# KiCad board PC110.kicad_pcb (continued)
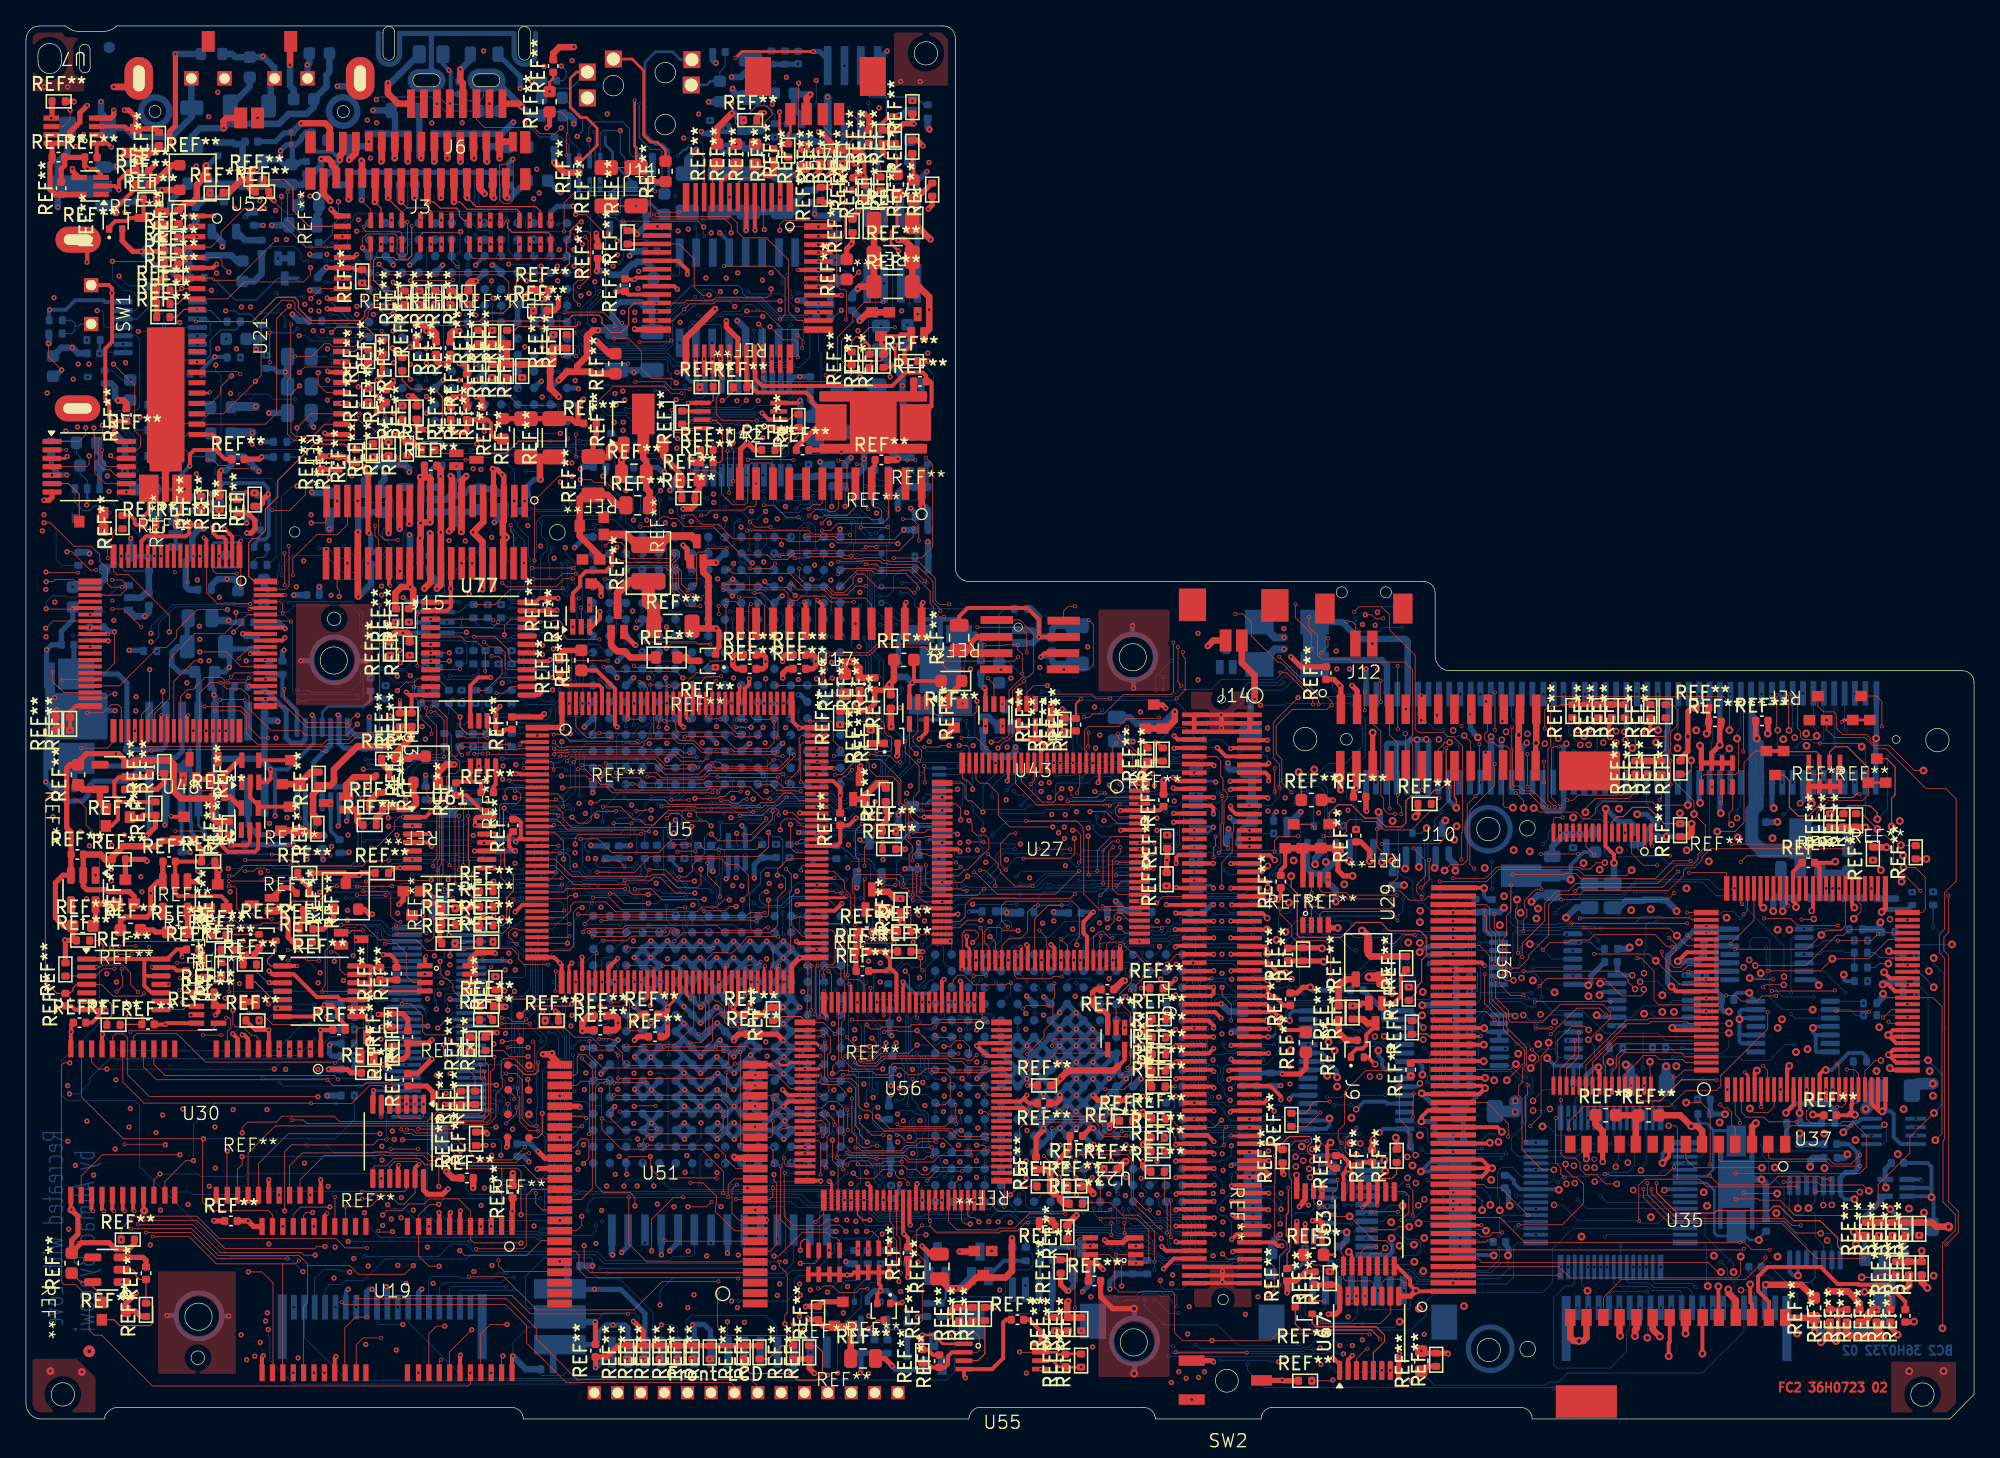
[diagram p0: board, top side]
## Routing (per net, layer and track width the routed paths; a pad name or vN(x,y) marks a point on that pad's centre or on a via; arc(x,y) is an arc through that point) (continued)
  FC2 w0.08: 63.53,7.11 REF**#420.1
  FC2 w0.4: v1(60.22,7.76) 60.32,7.66 REF**#421.1 61.01,7.54 61.38,7.18 REF**#420.3 REF**#420.1
  FC2 w0.5: REF**#319.1 63.53,7.11
  BC1 w0.05: v11(60.43,5.15) 60.43,7.04 60.22,7.25 v1(60.22,7.76)
  BC2 w0.05: 60.38,5.17 60.41,5.17 v11(60.43,5.15)
D171_Xin: length 10.2
  BC2 w0.08: 40.61,5.2 X4.2
  BC2 w0.4: U34.27 46.38,7.01 46.15,7.24 v1(45.22,7.24) 44.69,7.24 44.08,6.63 44.08,6.15 43.65,5.72 X4.2
  BC2 w0.5: REF**#470.1 40.61,5.2
D171_Xout: length 12.3
  BC2 w0.08: 41.69,10.58 X4.1
  BC2 w0.4: U34.26 47.68,8.12 45.81,9.99 v1(43.79,9.99) 41.16,9.99 X4.1
  BC2 w0.5: REF**#722.2 41.69,10.58
DPot_DNCin: length 46
  FC2 w0.05: v2(51.55,64.31) 51.65,64.41 51.65,66.66 51.8,66.81 52.22,66.81 52.48,67.07 v2(53.97,67.07) ; v2(54.16,71.38) 54.16,71.76 54.04,71.88 v2(54.04,74.59)
  FC1 w0.05: v2(54.16,71.38) 54.16,70.79 54.26,70.69 54.26,67.35 54.25,67.35 v2(53.97,67.07) ; v2(51.55,64.31) 50.98,64.31 50.3,63.63 50.3,57.52 50.13,57.35 50.13,56.95 50.38,56.7 50.38,56.17 v2(49.36,55.15) ; v1(55.55,76.51) 54.98,76.51 54.04,75.57 v2(54.04,74.59)
  IC1 w0.05: v1(55.55,76.51) 56.04,77 61.86,77 64.95,80.09 64.95,83.71 64.8,83.86 v1(64.08,83.86)
  BC1 w0.05: v1(64.08,83.86) 64.85,84.63 64.85,86.27 v11(66.1,87.52)
DPot_RHigh: length 5.2
  BC1 w0.05: v11(64.8,93.37) 65.16,93.37 68.1,96.31 v11(68.1,97.01)
DPot_RWiper: length 7.3
  FC2 w0.2: v1(67.2,90.01) 66.63,90.58 66.63,91.49 67.08,91.94 REF**#218.1
  BC2 w0.05: U44.6 67.39,89.27 67.2,89.45 v1(67.2,90.01)
DPot_UPCin: length 54.5
  FC2 w0.05: v2(63.48,68.13) 63.42,68.19 60.58,68.19 60.31,68.46 v2(55.55,68.46) ; v2(61.59,80.44) 62.25,80.44 62.49,80.68 62.49,83.36 63.69,84.56 63.69,85.16 64.59,86.06 v2(66.04,86.06) ; v2(53.92,62.65) 53.92,58.68 53.65,58.41 52.75,58.41 51.85,57.51 51.62,57.51 50.7,56.59 50.25,56.59 49.86,56.2 49.86,55.15
  FC1 w0.05: 61.59,78.89 61.59,78.96 ; 61.59,78.89 61.59,72.73 63.48,70.84 v2(63.48,68.13) ; 61.59,78.89 v2(61.59,80.44) ; v2(66.04,86.06) 66.04,90.86 v1(66.09,90.91) ; v2(55.55,68.46) 55.44,68.35 55.44,63.01 55.08,62.65 v2(53.92,62.65)
  BC1 w0.05: v11(66.1,93.37) 66.09,93.36 v1(66.09,90.91)
FCD_TC: length 38.9
  FC2 w0.05: v2(47.02,46.87) 47.65,46.87 47.71,46.93 v1(48.15,46.93) ; U27.33 69.42,45.4 69.22,45.2 v2(68.36,45.2) ; v2(46.7,48.94) 46.99,48.94 47.27,48.66 52.33,48.66 52.41,48.74 55.77,48.74 56.73,47.78 v2(57.31,47.78)
  FC1 w0.05: v2(57.31,47.78) 57.31,47.46 57.09,47.24 57.09,46.66 57.73,46.02 58.04,46.02 59.3,44.76 62.77,44.76 63.18,45.17 64.53,45.17 64.92,44.78 67.5,44.78 67.92,45.2 v2(68.36,45.2) ; v2(47.02,46.87) 47.02,47.17 47.09,47.24 47.09,48.55 v2(46.7,48.94)
  BC1 w0.05: v1(48.15,46.93) 48.15,47.92 v11(48.16,47.93)
  BC2 w0.05: 51.29,52.72 51.29,52.45 50.64,51.8 50.64,48.49 50.08,47.93 v11(48.16,47.93)
FCS_BVD1: length 46.4
  FC2 w0.05: v3(114.85,40.03) 114.85,39.37 114.72,39.24 114.73,39.23 114.73,38.6 114.91,38.42 v2(114.91,35.92) ; 144.93,39.04 146.06,39.04 146.29,39.27 146.29,41.74 145.53,42.5 v3(144.62,42.5)
  FC1 w0.05: v2(114.91,35.92) 110.02,35.92 v2(109.93,35.83)
  IC1 w0.05: v3(144.62,42.5) 144.57,42.5 143.1,41.03 132.87,41.03 132.31,41.59 126.01,41.59 124.97,40.55 115.37,40.55 v3(114.85,40.03)
FCS_BVD2: length 48.1
  FC2 w0.05: v2(145.92,40.7) 144.65,41.97 144.31,41.97 143.84,42.44 143.84,44.36 143.24,44.96 141.43,44.96 140.41,43.94 129.74,43.94 129.1,43.3 129.1,43.09 128.47,42.46 127.86,42.46 127.66,42.26 127.66,41.86 126.52,40.72 119.99,40.72 119.67,40.4 118.08,40.4 117.27,39.59 117.27,37.27 115.72,35.72 115.72,35.47 114.99,34.74 v2(114.36,34.74)
  FC1 w0.05: v2(109.93,34.58) 111.1,34.58 111.77,35.25 112.47,35.25 112.98,34.74 v2(114.36,34.74) ; v2(144.93,38.46) 145.92,39.46 v2(145.92,40.7)
FCS_C_EXT: length 4.4
  FC2 w0.05: v3(136.61,23.58) 136.55,23.64
  FC2 w0.3: U37.12 136.65,23.74 136.55,23.64
  BC2 w0.4: 138.33,22.81 138.22,22.69 136.76,22.69 REF**#633.1 136.64,23.55 v3(136.61,23.58)
FCS_CE1#: length 58.6
  FC2 w0.05: v3(147.07,21.48) 147.58,21.99 147.58,31.78 146.9,32.46 143.35,32.46 v3(143.04,32.77)
  FC1 w0.05: v5(119.3,18.17) 119.3,17.72 118.75,17.17 115.57,17.17 114.94,17.8 110.79,17.8 110.42,17.43 v2(109.93,17.43)
  IC3 w0.05: v3(147.07,21.48) 144.55,18.96 133.25,18.96 133.07,18.78 119.91,18.78 v5(119.3,18.17)
  BC1 w0.05: v3(143.04,32.77) 143.67,32.77 143.81,32.63 v11(145.6,32.63)
  BC2 w0.5: REF**#584.1 143.04,32.52 v3(143.04,32.77)
FCS_CE2#: length 69.1
  FC2 w0.05: v3(146.96,23.58) 145.11,21.73 145.11,20.5 143.25,18.64 143.24,18.64 142.66,18.06 142.66,16.37 142.45,16.16 140.33,16.16 139.85,15.68 136.27,15.68 135.09,16.86 133.52,16.86 133.42,16.96 v2(131.69,16.96) ; 109.93,18.08 112.26,18.08 112.53,17.81 113.59,17.81 v2(115.7,15.7)
  FC1 w0.05: v2(131.69,16.96) 130.78,16.05 123.89,16.05 123.54,15.7 v2(115.7,15.7) ; v2(144.93,33.46) 145.83,33.46 146.49,32.8 146.49,32.81 146.49,27.66 v3(146.51,27.64)
  BC2 w0.05: v3(146.51,27.64) 146.78,27.64 ; v3(146.51,27.64) 146.51,32.7 145.58,33.63 145.56,33.63 ; v3(146.51,27.64) 145.39,27.64 144.54,28.49 144.54,30.52 143.94,31.12 142.54,31.12
  BC2 w0.08: v3(146.51,27.64) 147.59,26.56 147.59,24.21 v3(146.96,23.58)
FCS_CS: length 33.5
  FC2 w0.05: U35.7 127.85,20.05 128.54,19.36 v3(133.71,19.36) ; U37.55 141.15,39.85 141.34,39.66 141.34,39.1 v3(140.79,38.55)
  IC2 w0.05: v3(133.71,19.36) 133.71,22.22 134.38,22.89 134.38,23.39 135.3,24.31 135.3,25.31 137.72,27.73 139.32,27.73 141.4,29.81 141.4,36.77 140.79,37.38 v3(140.79,38.55)
FCS_IO0: length 31.3
  FC2 w0.05: v2(136.76,38.49) 137.67,38.49 v5(137.71,38.53)
  FC2 w0.2: U37.66 135.6,39.71 v2(135.75,39.56)
  FC1 w0.05: v2(135.75,39.56) 135.75,39.34 136.6,38.49 v2(136.76,38.49)
  BC1 w0.05: v11(145.96,18.39) 145.96,25.01 145.08,25.89 140.44,25.89 139.62,26.71 139.62,33.08 137.71,34.99 v5(137.71,38.53)
  BC2 w0.3: v11(145.96,18.39) 145.89,18.46 REF**#793.1
FCS_IORD#: length 17.3
  FC1 w0.05: v3(148.35,36.57) 145.93,36.57 144.93,35.57 144.93,34.96
  BC1 w0.05: v11(140.83,36.87) 141.3,36.4 142.83,36.4 v11(143.94,37.51)
  BC2 w0.05: v11(143.94,37.51) 143.94,37.03 144.4,36.57 v3(148.35,36.57) ; U39.3 138.02,36.45 138.44,36.87 v11(140.83,36.87)
FCS_IOWR#: length 14.6
  FC2 w0.05: 144.93,35.46 143.57,35.46 143.45,35.34 v3(143.45,35.09)
  BC1 w0.05: v11(145.6,35.71) 144.95,35.06 143.48,35.06 v3(143.45,35.09) 142.93,35.09 142.38,34.54 142.38,33.5 141.74,32.86 v11(140.15,32.86)
  BC2 w0.05: U39.6 138.51,34.5 v11(140.15,32.86)
  BC2 w0.08: REF**#620.1 142.45,34.79 142.75,35.09 v3(143.45,35.09)
FCS_MA0: length 26.9
  FC1 w0.05: v2(119.16,25.68) 119.56,25.28 123.39,25.28 123.67,25 127.72,25 130.12,27.4 130.12,31.89 130.6,32.37 131.1,32.37 131.28,32.55 131.28,33.1 130.98,33.4 130.98,37.78 131.6,38.4 v2(131.6,40.89)
FCS_MA1: length 29
  FC2 w0.05: U37.75 131,42.03 130.93,42.1 v2(128.1,42.1) ; U36.19 118.66,26.96 119.61,27.91 v2(119.61,29.76) ; v2(127.27,42.19) 126.06,40.98 119.62,40.98 v2(119.34,40.7)
  FC1 w0.05: v2(119.34,40.7) 119.34,37.58 119.4,37.52 119.4,37.48 119.52,37.36 119.52,30.65 119.61,30.56 v2(119.61,29.76) ; v2(127.27,42.19) 128.01,42.19 v2(128.1,42.1)
FCS_MA2: length 24.3
  FC2 w0.05: v2(119.3,29.18) 119.3,28.1 118.16,26.96 U36.18 ; v2(127.94,38.19) 127.93,38.18 v2(119.04,38.18) ; v2(127.94,39.03) 128.26,39.03 128.26,39.04 129.43,39.04
  FC1 w0.05: v2(119.04,38.18) 119.04,37.35 119.3,37.09 v2(119.3,29.18) ; v2(127.94,39.03) v2(127.94,38.19)
FCS_MA3: length 25.3
  FC2 w0.05: v5(120.36,29.98) 120.08,30.26 119.06,30.26 117.94,29.14 117.94,27.61 117.66,27.33 U36.17 ; v2(119.67,38.57) 119.71,38.61 128.18,38.61 128.33,38.46 129.43,38.46
  FC1 w0.05: v2(119.67,38.57) 119.67,37.68 119.79,37.56 119.79,37.51 119.89,37.41 119.89,30.45 v5(120.36,29.98)
FCS_MA4: length 19.7
  FC2 w0.05: v2(118.35,46.36) 117.81,46.36 117.66,46.21 U36.16
  FC1 w0.05: v2(129.43,37.96) 128.98,38.41 128.98,39.3 127.9,40.38 v3(127.9,40.89) 126.97,41.82 126.97,42.49 127.25,42.77 127.25,45.06 127.25,45 126.49,45.76 118.73,45.76 118.35,46.14 v2(118.35,46.36)
FCS_MA5: length 18.7
  FC2 w0.05: v2(118.25,40.03) 126.45,40.03 v2(126.96,40.54)
  FC1 w0.05: v2(126.96,40.54) 126.96,40.14 127.24,39.86 127.69,39.86 128.5,39.05 128.5,38.07 129.11,37.46 v2(129.43,37.46) ; v2(118.25,40.03) 118.25,45.09 v2(118.16,45.18)
FCS_MA6: length 18.9
  FC2 w0.05: 129.43,36.96 128.3,36.96 v2(127.96,37.3)
  FC1 w0.05: v2(127.96,37.3) 126.51,38.75 126.51,42.34 127.01,42.84 127.01,44.94 126.35,45.6 119.11,45.6 118.69,45.18 v2(118.66,45.18)
FCS_MA7: length 17.7
  FC2 w0.05: v2(120,37.86) 120.04,37.82 126.59,37.82 v3(127.16,37.25) 127.95,36.46 129.43,36.46
  FC1 w0.05: v2(119.16,45.18) 119.16,42.32 119.97,41.51 119.97,37.89 v2(120,37.86)
FCS_MA8: length 16
  FC2 w0.05: v2(126.62,43.41) 124.67,43.41 124.16,43.92 U36.3 ; v2(126.57,37.08) 127.1,36.55 127.1,36.08 126.64,35.62 126.64,35.13 126.98,34.79 127.4,34.79 128.07,35.46 129.43,35.46
  FC1 w0.05: v2(126.57,37.08) 126.57,37.46 126.33,37.7 126.33,42.67 126.62,42.96 v2(126.62,43.41)
FCS_MA9: length 14.5
  FC2 w0.05: v2(126,36.01) 126,35.71 126.37,35.34 126.37,34.84 126.72,34.49 126.76,34.49 126.77,34.48 127.53,34.48 128.01,34.96 129.43,34.96
  FC2 w0.2: v2(124.72,44.15) 124.66,44.21 U36.2
  FC1 w0.05: v2(126,36.01) 125.93,36.08 125.93,42.94 v2(124.72,44.15)
FCS_MA10: length 15.4
  FC2 w0.05: v2(128.04,34.46) 129.43,34.46
  FC1 w0.05: v2(124.66,25.68) 125.63,26.65 128.68,26.65 129.96,27.93 129.96,33.27 129.77,33.46 129.04,33.46 v2(128.04,34.46)
FCS_MA11: length 13.4
  FC2 w0.2: v2(125.25,44.17) 125.16,44.26 U36.1
  FC1 w0.05: v2(125.25,44.17) 126.14,43.28 126.14,36.57 126.86,35.85 127.48,35.85 v2(129.43,33.91)
FCS_MA12: length 19.4
  FC2 w0.05: 129.43,33.46 127.39,33.46 v3(125.54,35.31) 125.02,35.83 v2(120.78,35.83)
  FC1 w0.05: v2(119.66,45.18) 120.47,44.37 120.47,41.86 120.78,41.55 v2(120.78,35.83)
FCS_MA13: length 16
  FC2 w0.05: v2(125.63,42.67) 124.58,42.67 123.66,43.59 U36.4
  FC1 w0.05: v2(125.63,42.67) 125.63,35.94 128.1,33.47 128.48,33.47 129.43,32.53 v2(129.43,32.41)
FCS_MA14: length 19
  FC2 w0.05: v2(124.13,35.51) 124.41,35.51 125.4,34.52 125.4,32.28 125.77,31.91 129.43,31.91
  FC1 w0.05: v2(124.13,35.51) 124.13,35.8 125.15,36.82 v3(125.15,39.28) 124.1,40.33 124.1,44.24 v2(123.16,45.18)
FCS_MA15: length 19.4
  FC2 w0.05: U36.11 120.16,44.11 v2(120.79,43.48)
  FC1 w0.05: v2(120.79,43.48) 120.79,41.93 122.76,39.96 122.76,35.45 123.35,34.86 124.95,34.86 125.1,34.71 125.1,34.23 126.63,32.7 128.13,32.7 v2(129.43,31.41)
FCS_MD0: length 12.8
  FC2 w0.05: 129.43,30.91 127.57,30.91 127.51,30.85 124.99,30.85 124.89,30.75 123.27,30.75 119.66,27.14 U36.21
FCS_MD1: length 12.3
  FC2 w0.05: 129.43,30.46 128.09,30.46 127.94,30.61 125.15,30.61 124.99,30.45 123.34,30.45 120.16,27.27 U36.22
FCS_MD2: length 11.4
  FC2 w0.05: 129.43,29.46 122.64,29.46 120.66,27.48 U36.23
FCS_MD3: length 10.7
  FC2 w0.05: 129.43,28.91 122.45,28.91 121.48,27.94 121.48,27.4 121.68,27.2 121.68,25.7 U36.25
FCS_MD4: length 9.6
  FC2 w0.05: 129.43,28.46 122.97,28.46 122.52,28.01 122.52,27.15 122.16,26.79 U36.26
FCS_MD5: length 9.2
  FC2 w0.05: 129.43,27.91 127.8,27.91 127.48,28.23 123.11,28.23 122.71,27.83 U36.27
FCS_MD6: length 8
  FC2 w0.05: U36.28 123.16,26.55 124.63,28.02 125.49,28.02 125.8,27.71 127.58,27.71 127.83,27.46 129.43,27.46
FCS_MD7: length 6.6
  FC2 w0.05: 129.43,26.89 127.72,26.89 127.16,26.33 v2(126.93,26.33)
  FC1 w0.05: v2(126.93,26.33) 125.82,25.22 124.12,25.22 v2(123.66,25.68)
FCS_PD: length 28.8
  FC2 w0.05: U35.4 131.65,22.42 131.37,22.7 131.37,23.65 131.06,23.96 130.77,23.96 v2(130.5,24.23) ; v2(131.65,36.2) 137.19,36.2 v3(138.29,37.3) 138.65,37.66 139.81,37.66 140.15,38 U37.57
  FC1 w0.05: 130.57,27.62 130.57,31.62 130.9,31.95 131.36,31.95 131.65,32.24 v2(131.65,36.2) ; 130.57,27.62 130.57,27.68 ; 130.57,27.62 130.57,25.96 130.33,25.72 130.33,24.4 v2(130.5,24.23)
FCS_RC_IN: length 7.3
  FC2 w0.05: v3(135.57,23.59) 135.57,23.64
  FC2 w0.3: 135.57,23.64 136.15,24.22 U37.11
  BC2 w0.4: v3(135.57,23.59) 136.27,24.29 138.8,24.29 139.33,23.76 REF**#686.1
FCS_RESET: length 91.1
  FC2 w0.05: v2(115.67,25.73) 115.67,25 115.5,24.83 115.5,21.4 v2(115.55,21.35)
  FC2 w0.08: 109.93,29.48 108.09,29.48 107.9,29.67 106.8,29.67 106.76,29.63
  FC2 w0.2: v2(112.07,29.5) 112.05,29.48 109.93,29.48 ; 106.76,29.63 106.75,29.62
  FC1 w0.05: v3(144.63,23.87) 144.64,23.88 145.13,23.88 145.72,24.47 145.72,31.89 145.65,31.96 v2(144.93,31.96) ; v2(112.07,29.5) 113.11,29.5 113.9,28.71 113.9,27.5 v2(115.67,25.73) ; v2(115.55,21.35) v3(113.42,21.35)
  IC3 w0.05: v3(113.42,21.35) 114.03,21.35 114.4,20.98 140.41,20.98 v3(140.92,21.49)
  BC1 w0.05: v11(108.5,34.22) 109.36,34.22 110.22,35.08 v11(110.22,36.39) ; v3(144.63,23.87) 144.27,24.23 143.87,24.23 143.49,23.85 143.49,23.45 143.18,23.14 142.57,23.14 v3(140.92,21.49) ; v11(108.86,25.72) 109.47,25.11 v11(109.47,21.01) 109.52,20.96 109.52,15.63 110.9,14.25 110.9,13.72 v11(110.47,13.29) ; v11(108.51,33.01) 108.32,32.82 108.32,32.07 108.38,32.01 108.38,31.01 108.33,30.96 v11(108.33,30.73)
  BC2 w0.05: v11(108.33,30.73) 108.33,30.21 108.93,29.61 108.93,27.11 108.86,27.04 v11(108.86,25.72) ; v11(109.47,21.01) 111.68,21.01 112.64,21.97 113.14,21.97 113.42,21.69 v3(113.42,21.35) ; v11(108.5,34.22) 108.5,33.02 v11(108.51,33.01)
FCS_ROMCEL0#: length 24.1
  FC2 w0.05: U37.71 133.1,38.43 v2(131.3,36.63)
  FC2 w0.08: v2(130.21,26.11) 130.18,26.14 127.52,26.14 125.89,24.51 124.39,24.51 124.16,24.74 U36.30
  FC1 w0.05: v2(130.21,26.11) 130.21,26.54 130.35,26.68 130.35,31.77 130.74,32.16 131.16,32.16 131.46,32.46 131.46,33.19 131.33,33.32 131.33,36.6 v2(131.3,36.63)
FCS_ROMOEL#: length 19.2
  FC2 w0.05: U37.72 132.6,39.18 v2(132.3,38.88) ; U36.32 125.16,26.56 125.09,26.63 v3(125.09,27.53)
  FC1 w0.05: v2(132.3,38.88) v5(132.3,34.81)
  IC2 w0.05: v5(132.3,34.81) 132.3,33.31 128.42,29.43 126.99,29.43 v3(125.09,27.53)
FCS_ROMWEL#: length 45.1
  FC2 w0.05: v2(133.88,38.57) 135.9,38.57 136.44,38.03 v2(139.55,38.03) ; v2(139.55,36.85) 142.13,36.85 v2(142.67,37.39) ; U37.73 132.1,39.76 v2(132.18,39.68) ; v2(137.9,44.29) 137.89,44.3 v2(131.39,44.3)
  FC2 w0.08: v2(127.41,45.88) 126.19,45.88 124.94,47.13 123.74,47.13 123.02,46.41 122.57,46.41 122.16,46 U36.7
  FC1 w0.05: v2(133.88,38.57) 133.64,38.57 132.53,39.68 v2(132.18,39.68) ; v2(137.9,44.29) 138.81,43.38 141.94,43.38 v2(142.26,43.06) 142.26,41.43 142.77,40.92 143.77,40.92 144.09,40.6 144.09,37.83 143.65,37.39 v2(142.67,37.39) ; v2(139.55,36.85) v2(139.55,38.03) ; v2(131.39,44.3) 128.99,44.3 v2(127.41,45.88)
FCS_SCLK1: length 35.7
  FC2 w0.05: v2(141.29,19.49) 141.28,19.48 139.06,19.48 138.69,19.85 130.6,19.85 130.58,19.83 130.4,20.01 U35.5
  FC1 w0.05: v2(142.15,40.89) 142.37,40.67 142.37,34.38 141.66,33.67 ; 141.66,33.67 141.66,24.93 142.26,24.33 142.26,23.42 141.67,22.83 141.67,19.87 v2(141.29,19.49) ; 141.66,33.67 142.35,34.36
FCS_SI0: length 25.5
  FC2 w0.05: U35.1 135.5,22.15 135.96,22.61 v2(140.58,22.61)
  FC1 w0.05: v2(140.58,22.61) 140.41,22.78 140.41,23.84 140.85,24.28 140.85,28.45 140.61,28.69 140.61,35.34 139.2,36.75 139.2,39.62 139.26,39.68 139.26,40.78 v2(139.15,40.89)
FCS_SI1: length 29.8
  FC2 w0.05: U35.2 134.2,20.19 134.36,20.03 138.87,20.03 139.25,19.65 140.58,19.65 v2(141.27,20.34)
  FC1 w0.05: v2(139.65,40.89) 140.02,40.52 140.02,37.21 141.3,35.94 141.3,20.37 v2(141.27,20.34)
FCS_SO0: length 33.2
  FC2 w0.3: v5(137.54,39.16) 137.65,39.27 U37.62
  FC2 w0.4: v5(120.18,20.03) 120.19,20.04
  FC2 w0.5: U35.13 120.19,21.16 120.19,20.04
  IC4 w0.05: v5(137.54,39.16) 136.61,38.23 132.44,38.23 129.44,35.23 129.44,27.55 128.08,26.19 125.5,26.19 120.18,20.87 v5(120.18,20.03)
FCS_SO1: length 49.5
  FC2 w0.05: U35.17 121.5,9.35 122.88,10.73 132.42,10.73 133.98,12.29 v2(133.98,12.45) ; v2(134.47,32.98) 139.28,32.98 v2(139.33,33.03)
  FC1 w0.05: v2(133.98,12.45) 134.01,12.48 134.01,18.02 134.19,18.2 134.19,24.87 134.11,24.95 134.11,30.56 134.47,30.92 v2(134.47,32.98) ; v2(138.65,40.89) 138.65,40.66 139,40.31 139,36.44 139.74,35.7 139.74,34.92 139.33,34.51 v2(139.33,33.03)
FDC_ACK#: length 63.8
  FC2 w0.05: v5(119.54,53.08) 119.54,53.35 120.23,54.04 REF**#90.1 ; v1(80.75,44.74) 80.75,43.51 80.42,43.18 v2(76.84,43.18)
  FC2 w0.2: U27.60 76.67,36.32 v2(76.6,36.39)
  FC1 w0.05: v2(76.6,36.39) 76.6,36.98 77.02,37.4 77.02,39.87 76.84,40.05 v2(76.84,43.18)
  IC2 w0.05: v3(110.01,44.64) 109.48,44.64 109.27,44.43 81.48,44.43 81.17,44.74 v1(80.75,44.74)
  IC4 w0.05: v3(110.01,44.64) 111,45.63 111,46.35 112.16,47.51 114.31,47.51 117.48,50.68 117.48,52.69 117.87,53.08 v5(119.54,53.08)
  BC1 w0.05: v11(119.23,51.47) 119.23,52.78 119.53,53.08 v5(119.54,53.08)
  BC2 w0.05: v11(119.23,51.47) J8.71
FDC_AUTOFD#: length 59.2
  FC2 w0.05: v2(99.93,44.9) 101.33,44.9 101.73,45.3 101.73,45.96 101.96,46.19 102.81,46.19 102.96,46.04 103.98,46.04 104.63,45.39 106.75,45.39 107.13,45.77 107.13,45.81 108.15,46.83 108.8,46.83 109.67,47.7 v2(109.67,48.69) ; v2(116.93,50.66) v2(116.93,49.06)
  FC2 w0.3: REF**#447.1 122.15,53.69 121.92,53.46 121.92,52.67 v5(122.02,52.57)
  FC1 w0.05: v2(99.93,44.9) 98.88,43.85 98.88,42.52 99.86,41.53 99.86,38.77 99.05,37.96 96.65,37.96 95.92,37.23 94.56,37.23 94.38,37.05 94.38,37.02 94.02,36.66 90.1,36.66 89.11,35.67 86.66,35.67 86.55,35.78 84.05,35.78 83.72,35.45 v2(83.72,35.35) ; v2(109.67,48.69) 110.04,49.06 v2(116.93,49.06) ; v5(122.02,52.57) 122.02,52.05 120.63,50.66 v2(116.93,50.66)
  BC2 w0.05: J8.73 120.83,51.49 121.02,51.68 121.02,52.46 121.35,52.79 121.8,52.79 v5(122.02,52.57)
FDC_BUSY: length 90.6
  FC2 w0.05: v2(106.97,37.27) 106.92,37.32 106.07,37.32 105.38,36.63 v2(104.63,36.63) ; REF**#116.2 126.84,55.05 127.18,54.71 127.18,53.42 126.68,52.92 126.68,51.34 126.93,51.09 126.93,49.17 128.48,47.62 v3(128.48,46.62) 129.35,45.75 129.35,44.08 128.79,43.52 128.79,43.1 128.37,42.68 127.11,42.68 125.68,41.25 119.37,41.25 118.81,40.69 117.93,40.69 116.99,39.75 116.99,38.4 115.24,36.65 v2(115.24,35.6) ; U27.59 76.17,34.13 76.36,33.94 78.97,33.94 79.14,34.11 v2(79.78,34.11)
  FC1 w0.05: v2(115.24,35.6) 115.15,35.51 109.59,35.51 107.83,37.27 v2(106.97,37.27) ; v2(104.63,36.63) 102.51,34.51 99.36,34.51 98.21,33.36 95.09,33.36 93.29,35.16 90.92,35.16 90.35,34.59 90.35,33.32 89.15,32.12 86.74,32.12 86.54,31.92 84.37,31.92 84.05,32.24 84.05,34.21 83.94,34.32 83.07,34.32 82.86,34.11 v2(79.78,34.11)
  BC1 w0.05: v11(125.68,55.86) 126.13,55.42 126.13,51.09 128.48,48.73 v3(128.48,46.62)
FDC_CTS1#: length 147.5
  FC2 w0.05: v2(118.2,47.18) 117.51,47.87 117.51,51.63 117.7,51.82 v2(118.09,51.82) ; v2(77.04,46.08) 80.93,46.08 81.42,45.59 81.42,45.32 81.48,45.26 81.48,40.45 82.71,39.22 84.56,39.22 84.88,38.9 U27.80 ; v2(107.49,55.75) 107.49,54.73 J10.6 107.47,54.63 v2(107.47,53.84)
  FC2 w0.08: 144.79,14.17 144.79,13.58 144.45,13.24 143.76,13.24 143.33,12.81 140.03,12.81 139.54,13.3 139.54,13.94 138.21,15.27 136.19,15.27 135.07,16.39 134.62,16.39 134.28,16.05 130.23,16.05 130.05,15.87 127.18,15.87 125.59,17.46 v2(125.59,18.16)
  FC1 w0.05: v2(107.49,55.75) 107.03,55.75 106.56,56.22 106.56,60.42 104.33,62.65 103.79,62.65 103.64,62.5 103.64,61.63 103.46,61.45 103.46,61.09 103.18,60.81 98.5,60.81 97.52,61.79 96.9,61.79 96.85,61.84 94.42,61.84 93.8,61.22 87.32,61.22 86.83,60.73 76.4,60.73 74.41,58.74 74.41,55 77.04,52.37 77.04,50.35 ; v2(118.09,51.82) 117.83,51.82 117.41,52.24 117.41,53.59 117.15,53.85 116.68,53.85 116.07,54.46 113.44,54.46 112.78,53.8 108.14,53.8 108.1,53.84 v2(107.47,53.84) ; v2(77.04,46.08) 77.04,50.35 ; 77.04,50.35 77.04,50.37 ; v2(125.59,18.16) 125.57,18.18 125.57,19.23 125.44,19.36 125.44,21.28 121.61,25.11 119.03,25.11 118.7,25.44 118.7,33.88 118.52,34.06 118.52,37.81 117.92,38.41 117.92,46.49 118.2,46.77 v2(118.2,47.18)
FDC_CTS2#: length 54.7
  FC2 w0.05: v3(128.01,47.31) 125.51,47.31 125.26,47.56 121.42,47.56 120.91,47.05 120.91,46.73 120.44,46.26 119.93,46.26 119.42,46.77 116.57,46.77 116.26,47.08 v3(116.13,47.08)
  FC1 w0.05: v1(96.31,46.8) 96.31,45.83 95.48,45 93.9,45 93.52,44.62 91.5,44.62 88.97,47.15 87.14,47.15 86.64,46.65 86.64,45.29 87.22,44.71 87.22,44.11 87.01,43.9 v2(85.77,43.9)
  IC2 w0.05: v3(116.13,47.08) 114,49.21 101.2,49.21 100.27,48.28 96.61,48.28 96.31,47.98 v1(96.31,46.8)
  BC2 w0.3: v1(96.31,46.8) 96.1,46.59 REF**#671.2
  BC2 w0.4: J8.82 128.08,47.38 v3(128.01,47.31)
FDC_DCD1#: length 110.4
  FC2 w0.05: v2(141.59,12.38) 137.94,12.38 135.27,15.05 126.6,15.05 124.58,17.07 v2(124.58,17.72) ; v2(116.85,47.15) 115.81,48.19 115.26,48.19 114.94,48.51 114.5,48.51 114.32,48.69 114.32,51.58 114.04,51.86 113.33,51.86 113.06,52.13 112.58,52.13 112.36,52.35 112.36,52.79 112.58,53.01 J10.10 112.47,54.8 v2(112.47,55.29) ; v2(84.29,44.06) 84.29,43.64 83.99,43.34 83.99,43.33 83.69,43.03 83.69,40.84 84.13,40.4 U27.83
  FC1 w0.05: v2(84.29,44.06) 84.92,44.69 84.92,47.43 84.81,47.54 84.81,50.13 85.26,50.58 89.17,50.58 91.46,52.87 93.61,52.87 97.07,56.33 99.83,56.33 100.33,55.83 104.82,55.83 105.48,55.17 109.29,55.17 109.4,55.28 112.46,55.28 v2(112.47,55.29) ; v2(124.58,17.72) 124.58,18.41 124.67,18.5 124.67,18.54 124.82,18.69 124.82,20.94 121.22,24.54 118.73,24.54 118.24,25.03 118.24,33.43 117.95,33.72 117.95,37.43 117.36,38.02 117.36,46.38 116.85,46.89 v2(116.85,47.15) ; v2(142.74,14.17) 142.74,13.53 v2(141.59,12.38)
FDC_DCD2#: length 79.4
  FC2 w0.05: U27.85 84.35,41.4 84.05,41.1 v2(84,41.1)
  FC1 w0.05: v1(83.31,38.55) 83.3,38.56 83.3,40.4 v2(84,41.1)
  IC3 w0.05: v3(131.2,51.67) 131.23,51.7 132.38,51.7 133.43,50.65 133.43,40.25 131.24,38.06 122.78,38.06 120.66,35.94 111.78,35.94 109.9,37.82 105.22,37.82 104.44,37.04 100.84,37.04 100.12,37.76 99.12,37.76 98.1,38.78 96.79,38.78 95.94,39.63 94.8,39.63 94.42,39.26 91.05,39.26 90.81,39.5 88.38,39.5 88,39.12 83.88,39.12 v1(83.31,38.55)
  BC2 w0.05: J8.17 129.68,53.41 129.92,53.17 129.92,52.29 129.84,52.21 129.84,51.53 130.15,51.22 130.75,51.22 v3(131.2,51.67) ; v1(83.31,38.55) 83.29,38.57
  BC2 w0.5: 83.29,38.57 REF**#455.2
FDC_DIR#: length 67.7
  FC2 w0.05: v3(137.93,52.64) 137.65,52.36 136.87,52.36 136.67,52.56 136.67,53.02 136.47,53.22 136.47,55.58 v2(136.39,55.66)
  FC1 w0.05: v2(82.17,50.55) 82.81,51.19 87.07,51.19 88.07,52.19 88.91,52.19 89.54,52.82 89.54,55.47 91.3,57.23 104.51,57.23 106.4,55.34 109.07,55.34 109.34,55.61 112.68,55.61 112.74,55.55 113.63,55.55 113.77,55.69 132.57,55.69 132.78,55.48 135.85,55.48 136.03,55.66 v2(136.39,55.66)
  BC2 w0.05: J8.7 137.68,53.32 137.93,53.07 v3(137.93,52.64)
FDC_DRATE0_MEDIA_ID0: length 60.1
  FC2 w0.05: v2(83.48,47.27) 83.42,47.33 77.86,47.33 76.22,48.97 76.22,50.5
  FC1 w0.05: v2(83.48,47.27) 83.48,48.82 v1(83.46,48.84)
  IC3 w0.05: v1(83.46,48.84) 83.46,46.92 86.64,43.74 105.46,43.74 106.08,43.12 112.92,43.12 113.18,42.86 119.95,42.86 v3(119.97,42.84)
  BC1 w0.05: v11(119.59,36.71) 119.59,42.46 v3(119.97,42.84)
  BC2 w0.08: U28.2 120.52,36.74 121.04,36.22 REF**#500.2
FDC_DRATE1_MEDIA_ID1: length 56.7
  FC2 w0.05: U27.16 76.67,49.15 78.28,47.54 79.15,47.54 79.32,47.71 79.32,48.1 v1(79.79,48.57)
  IC2 w0.05: v1(79.79,48.57) 79.79,49.07 81.03,50.31 90.07,50.31 90.88,51.12 93.5,51.12 v1(95.63,53.25)
  BC1 w0.05: v1(95.63,53.25) 96.08,52.8 96.08,51.56 96.42,51.22 96.42,50.5 97.91,49.01 97.91,47.9 98.85,46.96 98.85,46.38 99.04,46.19 104.4,46.19 105.04,45.55 v11(105.73,45.55)
  BC2 w0.05: 110.8,38.6 111.06,38.6 111.57,38.09 111.57,36.41 111.89,36.09 U28.12 ; 110.8,38.6 110.8,39.8 111.06,40.06 REF**#485.2 ; 110.8,38.6 108.76,38.6 107.6,39.76 107.29,39.76 106.83,40.22 106.83,41.33 106.44,41.72 106.13,41.72 105.73,42.12 v11(105.73,45.55)
FDC_DS0#: length 72.3
  FC2 w0.05: v2(96.63,57.53) 97.09,57.53 99.12,55.5 v2(99.12,55.07) ; U27.2 83.67,51.76 v2(83.99,52.08)
  FC1 w0.05: v2(96.63,57.53) 89.29,57.53 86.85,55.09 86.85,52.6 86.72,52.47 86.72,52.25 86.01,51.54 84.53,51.54 v2(83.99,52.08) ; v3(137.15,51.88) 137.09,51.94 134.23,51.94 133.7,52.47 133.7,52.7 133.57,52.83 133.57,52.97 132.76,53.78 124.38,53.78 124.25,53.65 124.25,51.53 123.98,51.26 121.65,51.26 120.61,50.22 107.32,50.22 103.54,54 102.62,54 102.23,54.39 99.8,54.39 v2(99.12,55.07)
  BC1 w0.05: v3(137.15,51.88) 139.2,51.88 v11(139.36,52.04)
  BC2 w0.05: J8.5 139.28,52.12 v11(139.36,52.04)
FDC_DS3#: length 130
  FC2 w0.05: v2(84.82,53.33) 84.89,53.27 84.89,52.04 85.61,51.31 85.61,50 85.01,49.4 84.72,49.4 v2(84.23,48.91) ; v2(62.56,64) 62.64,64 64.02,65.38 65.15,65.38 65.39,65.14 67.8,65.14 68.7,64.24 v2(68.7,63.99) ; v2(53.54,57.23) 52.41,57.23 51.86,56.68 51.86,55.15 ; v2(76.86,56.86) 76.59,56.59 76.46,56.59 75.97,56.1 75.97,52.59 75.66,52.28 75.44,52.28 74.87,51.71 v1(74.87,51.7) ; v2(73.81,59.62) 75.38,59.62 75.42,59.66 76.38,59.66 v2(76.39,59.65) 76.39,59.3 76.74,58.95 v2(76.74,57.44) ; U27.95 84.16,46.4 83.92,46.64 83.92,47.09 84.23,47.39 v2(84.25,47.39)
  FC1 w0.05: v2(73.81,59.62) 72.18,61.25 70.46,61.25 69.55,62.16 69.55,63.62 69.18,63.99 v2(68.7,63.99) ; v2(53.54,57.23) 53.54,57.6 53.66,57.72 53.66,58.6 55.73,60.67 62.36,60.67 62.56,60.87 v2(62.56,64) ; v2(84.82,53.33) 84.82,53.7 82.47,56.05 82.47,57.77 80.59,59.65 v2(76.39,59.65) ; v2(76.86,56.86) 76.86,57.32 v2(76.74,57.44) ; v2(84.25,47.39) 84.25,47.77 84.42,47.94 84.42,48.72 v2(84.23,48.91)
  IC3 w0.05: v3(127.92,43.82) 127.92,44.69 126.99,45.62 119.41,45.62 117.09,43.3 112.12,43.3 111.46,43.96 90.25,43.96 89.46,44.75 89.46,49.12 88.6,49.98 87.75,49.98 87.1,49.33 86.57,49.33 86.32,49.58 86.32,49.8 86.03,50.09 81.49,50.09 80.44,51.14 80.44,51.49 79.61,52.32 77.32,52.32 76.38,51.38 75.19,51.38 v1(74.87,51.7)
